# Altium PCB Fuel_Dispenser_Controller_V1.0.0.PcbDoc (part 3 of 4)
Units mm, origin at the board's own origin, x right, y up, seen from the top; angles counter-clockwise.
Board outline 100 x 60 mm, 6 copper layers (L1_SIG, L2_GND, L3_SIG, L4_PWR, L5_GND, L6_SIG), stack 1.538 mm thick; 235 components, 145 nets, 779 pads, 828 vias.
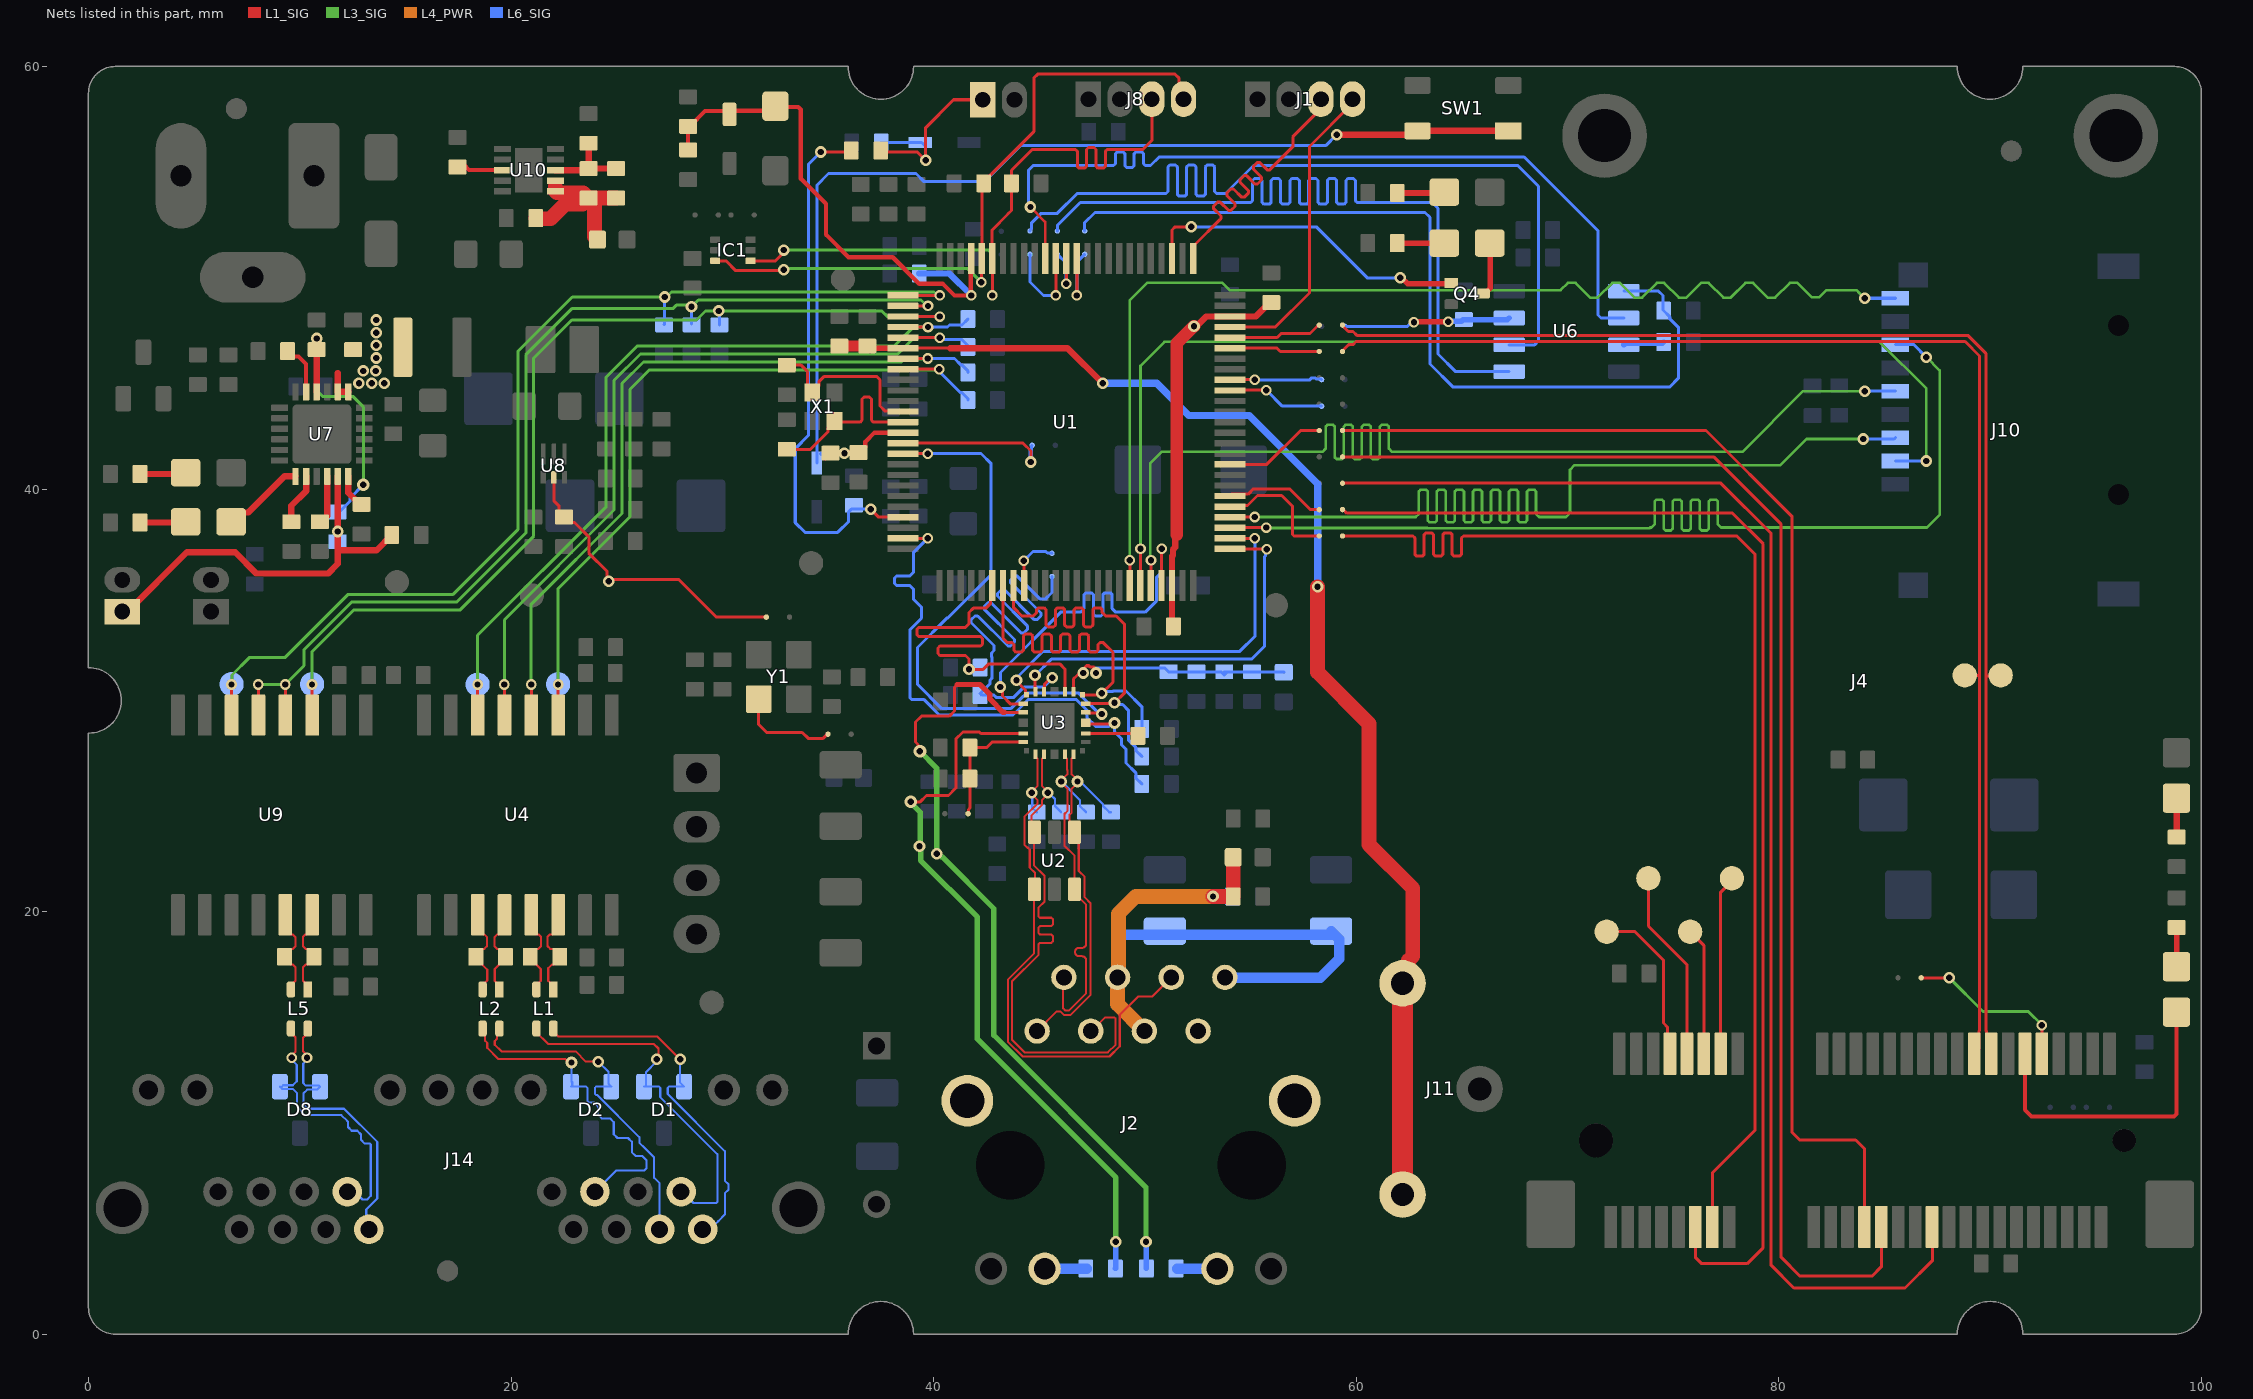
[diagram p7: the nets of this part, all layers, seen from the top]

## Via types
v1: diameter 0.55, hole 0.3, L1_SIG to L6_SIG, tented both sides, 535 vias
v2: diameter 0.52, hole 0.3, L1_SIG to L6_SIG, tented both sides, 164 vias
v3: diameter 0.54, hole 0.3, L1_SIG to L6_SIG, tented both sides, 57 vias
v4: diameter 0.5, hole 0.3, L1_SIG to L6_SIG, tented both sides, 53 vias
v5: diameter 0.6, hole 0.3, L1_SIG to L6_SIG, tented both sides, 17 vias
v6: diameter 0.55, hole 0.3, L1_SIG to L6_SIG, tented bottom, 2 vias

## Nets (pads, with @x,y where several pads share a name; then routed paths per layer and width w, separated by ;. In a path a pad name is that pad's centre, name@x,y a point inside that pad or via, vN(x,y) a via of type N, cw(c..) or ccw(c..) an arc to the next point about the centre after c; other vN are vias at no path point) (continued)
I2C1_SCL: IC1.1 J8.3 R46.1 U1.95 | length 32.5
  L1_SIG w0.142: IC1.1@31.338,50.8 31.347,50.791 32.506,50.791 32.91,51.196 v1(32.91,51.31) ; v4@42.78,49.188 U1.95@42.78,50.906 42.77,50.916 42.77,52.26 43.5,52.99 43.5,53 43.68,53.18 R46.1@43.68,54.47 43.68,55.086 44.664,56.07 46.195,56.07 46.708,56.07 46.797,55.982 46.797,55.275 46.885,55.186 47.15,55.186 47.239,55.275 47.239,56.073 47.327,56.161 47.593,56.161 47.681,56.073 47.681,55.275 47.769,55.186 48.035,55.186 48.123,55.275 48.123,55.982 48.212,56.07 48.353,56.07 49.897,56.07 50.325,56.498 J8.3@50.325,58.45
  L3_SIG w0.142: v1(32.91,51.31) 42.59,51.31 42.776,51.125 v4(42.776,49.164)
I2C1_SDA: IC1.6 J8.4 R45.1 U1.96 | length 31.9
  L1_SIG w0.142: IC1.6@29.662,50.8 30.17,50.8 30.634,50.337 32.245,50.337 32.251,50.343 32.943,50.343 v1@32.98,50.38 ; v4(42.25,49.79) 42.265,49.805 U1.96@42.265,50.879 ; U1.96@42.28,50.906 42.295,50.921 42.295,54.47 44.739,56.915 44.739,59.451 44.925,59.637 51.423,59.637 51.62,59.44 51.62,58.655 J8.4@51.825,58.45
  L3_SIG w0.142: v1@32.98,50.38 33.03,50.43 41.61,50.43 v4(42.25,49.79) v4@42.209,49.749
  other v1: 32.91,50.38
ICHG_5: R37.2 U7.10 | length 2.3
  L1_SIG w0.3: R37.2@10.95,38.45 11.025,38.45 11.3,38.725 U7.10@11.3,40.6
ILIM_5: R36.2 U7.8 | length 2.4
  L1_SIG w0.3: R36.2@9.6,38.45 9.6,39.21 10.3,39.91 U7.8@10.3,40.6
IN_PWR_SENS: C57.2 D10.2 R47.1 R49.2 U1.97 ZD1.1 | length 26.2
  L1_SIG w0.2: R49.2@28.38,56.05 R47.1@28.38,57.16 28.455,57.16 29.182,57.887 30.189,57.887 D10.2@30.343,57.733 30.513,57.904 32.262,57.904 32.279,57.887 ZD1.1@32.51,58.118 ; ZD1.1@32.498,58.08 33.593,58.08 33.71,57.963 33.71,54.69 34.9,53.5 34.9,52.04 35.97,50.97 38.062,50.97 39.321,49.711 40.434,49.711 40.981,49.164 v4(41.775,49.164) 41.76,49.179 41.76,50.886 U1.97@41.78,50.906
  L6_SIG w0.3: C57.2@39.32,50.2 40.739,50.2 v4(41.775,49.164)
LDO_OUT_5: C72.2 C74.2 FB1.1 R55.2 U10.1 U10.2 | length 8.3
  L1_SIG w0.7: C72.2@21.17,52.82 21.201,52.789 21.869,52.789 22.575,53.495 23.395,53.495 C74.2@23.67,53.77 ; 22.095,54.33 U10.1@22.095,54.095 22.17,54.02 23.42,54.02 C74.2@23.67,53.77 ; C74.2@23.745,53.77 23.95,53.565 23.95,51.943 FB1.1@24.088,51.805 ; R55.2@24.97,53.77 C74.2@23.67,53.77
LED_0_4: R15.1 U3.4 | length 34.2
  L1_SIG w0.142: v5(38.91,25.2) 39.364,25.2 39.665,25.501 40.703,25.501 41.051,25.848 41.051,28.166 41.389,28.503 42.164,28.503 42.232,28.435 U3.4@44.244,28.435
  L3_SIG w0.254: v5(38.91,25.2) 38.91,25.157 39.37,24.697 39.37,23.13 v1(39.33,23.09) 39.387,23.033 39.387,22.423 42.07,19.74 42.07,13.97 48.62,7.42 v1(48.62,4.374)
  L6_SIG w0.254: R15.1@48.6,3.11 48.61,3.12 48.61,4.364 v1(48.62,4.374)
LED_2_4: R16.1 U3.2 | length 37.6
  L1_SIG w0.142: v5(39.35,27.59) 39.259,27.681 39.259,27.915 39.14,28.034 39.14,28.97 39.42,29.25 40.733,29.25 40.983,29.5 40.983,30.615 41.12,30.752 ; 43.338,29.435 U3.2@44.244,29.435
  L1_SIG w0.254: 41.12,30.752 42.195,30.752 42.662,30.285 42.662,30.065 43.292,29.435 43.338,29.435
  L3_SIG w0.254: v5(39.35,27.59) 40.14,26.8 v1(40.14,22.74) 40.22,22.74 40.358,22.602 40.389,22.602 42.844,20.147 42.844,14.156 50.051,6.949 v1(50.051,4.374)
  L6_SIG w0.254: v1(50.051,4.374) 50.061,4.365 50.061,3.12 R16.1@50.07,3.11
LED_WWAN#_8: D3.2 J4.42 | length 14.8
  L1_SIG w0.2: J4.42@91.65,13.275 91.65,10.62 91.96,10.31 98.703,10.31 98.82,10.427 D3.2@98.82,15.245
MOD_6_N: L5.4 R44.1 U9.13 | length 4.4
  L1_SIG w0.102: U9.13@9.315,19.85 9.315,19.2 9.589,18.926 9.653,18.926 9.797,18.782 9.797,18.358 9.677,18.238 9.574,18.238 9.275,17.939 R44.1@9.275,17.865 9.275,17.791 9.574,17.492 9.677,17.492 9.797,17.372 9.797,17.056 9.804,17.049 9.804,16.742 9.582,16.52 L5.4@9.582,16.318
MOD_6_P: L5.1 R44.2 U9.14 | length 4.4
  L1_SIG w0.102: L5.1@10.382,16.318 10.382,16.493 10.16,16.715 10.16,17.197 10.153,17.204 10.153,17.372 10.273,17.492 10.376,17.492 10.675,17.791 R44.2@10.675,17.865 10.675,17.939 10.376,18.238 10.273,18.238 10.153,18.358 10.153,18.807 10.272,18.926 10.311,18.926 10.585,19.2 U9.14@10.585,19.85
MOD_O_6_N: D8.1 J14.2 L5.3 | length 13.5
  L1_SIG w0.102: L5.3@9.582,14.468 9.582,14.266 9.804,14.044 9.804,13.38 9.622,13.198 v4(9.622,13.09)
  L6_SIG w0.102: D8.1@9.06,11.72 D8.1@9.109,11.671 ; v4(9.622,13.09) 9.622,12.982 9.858,12.747 9.858,11.968 9.672,11.781 9.22,11.781 D8.1@9.109,11.671 ; J14.2@12.25,6.745 12.601,6.745 12.972,6.374 13.187,6.374 13.36,6.548 13.36,8.98 13.353,8.987 13.317,9.023 13.081,9.023 12.902,9.202 12.902,9.453 12.722,9.632 12.459,9.632 12.279,9.812 12.279,10.061 12.244,10.096 11.97,10.37 10.264,10.37 9.875,10.759 9.875,11.41 9.672,11.614 9.166,11.614 D8.1@9.109,11.671
MOD_O_6_P: D8.2 J14.1 L5.2 | length 13.8
  L1_SIG w0.102: v4(10.342,13.09) 10.342,13.198 10.16,13.38 10.16,14.044 10.382,14.266 L5.2@10.382,14.468
  L6_SIG w0.102: v4(10.342,13.09) 10.342,12.982 10.162,12.803 10.162,11.887 10.281,11.768 10.912,11.768 D8.2@10.96,11.72 10.818,11.578 10.348,11.578 10.18,11.41 10.18,10.885 10.39,10.675 12.096,10.675 13.665,9.106 13.665,6.421 13.145,5.902 13.145,5.09 J14.1@13.27,4.965
MOD_RX_7_N: L2.4 R25.1 U4.11 | length 4.3
  L1_SIG w0.102: U4.11@18.42,19.85 18.42,19.2 18.694,18.926 18.738,18.926 18.857,18.807 18.857,18.358 18.737,18.238 18.634,18.238 18.335,17.939 18.335,17.791 18.872,17.254 18.872,16.742 18.65,16.52 L2.4@18.65,16.318
MOD_RX_7_P: L2.1 R25.2 U4.12 | length 4.3
  L1_SIG w0.102: L2.1@19.45,16.318 19.45,16.493 19.228,16.715 19.228,17.284 19.735,17.791 19.735,17.939 19.436,18.238 19.333,18.238 19.213,18.358 19.213,18.787 19.352,18.926 19.416,18.926 19.69,19.2 U4.12@19.69,19.85
MOD_RX_O_7_N: D2.1 J14.18 L2.3 | length 16
  L1_SIG w0.102: L2.3@18.65,14.468 18.769,14.349 18.769,13.895 18.874,13.79 18.874,13.553 19.397,13.03 22.569,13.03 22.739,12.86 v1(22.86,12.86)
  L6_SIG w0.102: D2.1@22.84,11.72 D2.1@22.899,11.72 ; v1(22.86,12.86) 22.86,11.962 22.899,11.923 D2.1@22.899,11.72 ; J14.18@23.97,6.745 24.971,7.746 26.298,7.746 26.417,7.865 26.417,8.228 26.364,8.28 26.211,8.433 25.895,8.433 25.716,8.613 25.716,9.109 25.536,9.289 25.04,9.289 24.861,9.468 24.861,10.036 24.681,10.215 24.288,10.215 24.108,10.395 24.108,10.788 23.929,10.968 23.677,10.968 23.641,11.003 23.612,11.032 23.612,11.66 23.553,11.72 D2.1@22.899,11.72
MOD_RX_O_7_P: D2.2 J14.15 L2.2 | length 16.3
  L1_SIG w0.102: L2.2@19.45,14.468 19.331,14.349 19.331,13.969 19.23,13.868 19.23,13.7 19.544,13.386 23.054,13.386 23.54,12.9 v1(24.13,12.9)
  L6_SIG w0.102: v1(24.13,12.9) 24.617,12.413 24.617,11.843 D2.2@24.74,11.72 24.027,11.72 23.968,11.66 23.968,11.383 24.027,11.323 24.076,11.323 26.071,9.328 26.071,9.069 26.237,8.903 26.244,8.903 26.72,8.427 26.72,8.42 26.772,8.368 26.772,7.398 27.03,7.141 J14.15@27.03,4.965
MOD_TX_7_N: L1.4 R24.1 U4.13 | length 4.3
  L1_SIG w0.102: U4.13@20.96,19.85 20.96,19.2 21.234,18.926 21.302,18.926 21.421,18.807 21.421,18.358 21.301,18.238 21.204,18.238 20.905,17.939 20.905,17.789 21.405,17.289 21.405,16.725 21.2,16.52 L1.4@21.2,16.318
MOD_TX_7_P: L1.1 R24.2 U4.14 | length 4.5
  L1_SIG w0.102: L1.1@22,16.318 22,16.493 21.761,16.732 21.761,17.321 21.932,17.492 22.006,17.492 22.305,17.791 22.305,17.939 22.006,18.238 21.858,18.238 21.726,18.37 21.726,18.807 21.845,18.926 21.956,18.926 22.23,19.2 U4.14@22.23,19.85
MOD_TX_O_7_N: D1.1 J14.14 L1.3 | length 17.5
  L1_SIG w0.102: L1.3@21.2,14.468 21.2,14.293 21.753,13.74 26.757,13.74 26.976,13.522 26.976,13.086 v1(26.9,13.01)
  L6_SIG w0.102: D1.1@26.29,11.72 D1.1@26.354,11.72 ; v1@26.9,12.92 26.393,12.413 26.393,11.759 D1.1@26.354,11.72 ; J14.14@28.05,6.745 28.101,6.745 28.636,6.21 29.331,6.21 29.705,6.21 29.764,6.27 29.764,8.518 27.062,11.22 27.062,11.66 27.003,11.72 26.393,11.72 D1.1@26.354,11.72
MOD_TX_O_7_P: D1.2 J14.13 L1.2 | length 17.5
  L1_SIG w0.102: L1.2@22,14.468 22,14.32 22.224,14.096 26.905,14.096 v1@28,13
  L6_SIG w0.102: v1@28,13 28,11.91 D1.2@28.19,11.72 27.477,11.72 27.418,11.66 27.418,11.368 30.12,8.665 30.12,7.35 30.12,7.267 30.294,7.093 30.294,6.839 30.12,6.665 30.12,6.614 30.12,5.664 29.806,5.35 29.421,4.965 J14.13@29.07,4.965
  other v1: 28,13.01
NetC14_2: C14.2 C76.2 FB2.1 J2.4 J2.5 | length 14.6
  L1_SIG w0.096: C14.2@54.168,20.72 C14.2@54.175,20.713
  L1_SIG w0.7: J2.4@48.705,16.89 J2.4@48.743,16.928 ; v1(53.22,20.72) C14.2@54.168,20.72 ; C14.2@54.175,20.788 54.175,20.963 FB2.1@54.175,22.575
  L4_PWR w0.7: J2.4@48.705,16.89 48.705,15.62 J2.5@49.975,14.35 ; J2.4@48.743,16.928 48.743,19.903 49.56,20.72 v1(53.22,20.72)
  L6_SIG w0.142: v1(53.22,20.72) C76.2@54.15,20.72
NetD3_1: D3.1 R27.1 | length 1.9
  L1_SIG w0.254: D3.1@98.82,17.395 98.83,17.405 R27.1@98.83,19.25
NetD4_2: D4.2 R28.2 | length 1.8
  L1_SIG w0.142: D4.2@98.82,25.37 D4.2@98.83,25.36
  L1_SIG w0.3: R28.2@98.83,23.53 D4.2@98.83,25.36
NetD5_1: D5.1 R32.1 | length 2.2
  L1_SIG w0.3: R32.1@2.44,38.42 4.57,38.42 D5.1@4.6,38.45
NetD6_1: D6.1 R33.1 | length 2.2
  L1_SIG w0.3: R33.1@2.44,40.71 4.535,40.71 D6.1@4.6,40.775
NetD9_1: D9.1 R48.1 | length 2.2
  L1_SIG w0.254: R48.1@61.942,51.64 D9.1@64.167,51.64
NetD9_2: D9.2 Q4.3 | length 2.6
  L1_SIG w0.254: Q4.3@66,49.25 66.081,49.25 66.35,49.519 66.35,51.608 D9.2@66.317,51.64
NetD11_1: D11.1 R54.1 | length 2.2
  L1_SIG w0.3: R54.1@61.942,54.01 D11.1@64.167,54.01
NetJ2_10: J2.10 R15.2 | length 2
  L6_SIG w0.5: J2.10@45.255,3.1 R15.2@47.24,3.1
NetJ2_11: J2.11 R16.2 | length 1.9
  L6_SIG w0.5: R16.2@51.53,3.1 J2.11@53.425,3.1
NetJ4_8: J4.8 TP1.1 | length 7.8
  L1_SIG w0.142: TP1.1@71.85,19.05 73.19,19.05 74.54,17.7 74.54,14.73 74.725,14.545 74.725,13.4 J4.8@74.85,13.275
NetJ4_10: J4.10 TP2.1 | length 9.1
  L1_SIG w0.142: TP2.1@73.827,21.58 73.827,19.313 75.65,17.49 J4.10@75.65,13.275
NetJ4_12: J4.12 TP3.1 | length 6
  L1_SIG w0.142: TP3.1@75.803,19.05 76.45,18.403 J4.12@76.45,13.275
NetJ4_14: J4.14 TP4.1 | length 8.5
  L1_SIG w0.142: J4.14@77.25,13.275 77.25,20.92 77.78,21.45 TP4.1@77.78,21.58
NetR18_2: R18.2 U3.14 | length 2.5
  L1_SIG w0.142: U3.14@47.195,28.435 48,28.435 48.119,28.435 48.12,28.436 48.521,28.436 48.522,28.435 49.555,28.435 R18.2@49.67,28.32
NetR29_1: R29.1 U6.3 | length 1.9
  L6_SIG w0.254: U6.3@72.662,46.825 72.729,46.892 74.483,46.892 R29.1@74.55,46.96
NetR31_1: R31.1 SB15.2 U6.7 | length 7.9
  L1_SIG w0.142: v4(62.73,47.9) v4@62.74,47.91 ; v4@64.35,47.91 v4(64.36,47.92)
  L1_SIG w0.254: v4@62.74,47.91 v4@64.35,47.91
  L6_SIG w0.142: SB15.2@59.48,47.7 62.429,47.7 62.629,47.9 v4(62.73,47.9)
  L6_SIG w0.254: v4(64.36,47.92) 64.42,47.92 64.44,47.94 64.98,47.94 65.06,48.02 R31.1@65.09,48.02 ; R31.1@65.09,48.012 67.155,48.012 U6.7@67.238,48.095
NetSB10_1: SB10.1 U1.15 | length 7.6
  L1_SIG w0.142: U1.15@38.542,42.168 38.545,42.171 44.231,42.171 44.606,41.796 44.606,41.286 v1(44.6,41.28)
  L6_SIG w0.142: 44.6,41.83 44.636,41.866 44.636,42.046 SB10.1@44.66,42.07
  L6_SIG w0.203: v1(44.6,41.28) 44.6,41.83
NetSB13_1: SB13.1 U1.67 | length 4.4
  L1_SIG w0.142: U1.67@54.006,45.18 v4@55.196,45.18
  L6_SIG w0.142: v4@55.21,45.15 57.779,45.15 57.894,45.265 58.042,45.265 58.097,45.209 58.336,45.209 SB13.1@58.36,45.185
  other v4: 55.198,45.178
NetSB14_1: SB14.1 U1.66 | length 4.6
  L1_SIG w0.142: U1.66@54.004,44.682 v4@55.722,44.682
  L6_SIG w0.142: v4@55.76,44.663 56.503,43.92 SB14.1@58.36,43.92
  other v4: 55.746,44.677
NetSB18_2: SB18.2 Y1.1 | length 4.8
  L1_SIG w0.142: Y1.1@31.72,30.06 31.72,28.86 32.1,28.48 33.78,28.48 34.06,28.2 34.77,28.2 34.97,28.4 SB18.2@35,28.4
NetSB26_1: SB26.1 U1.89 | length 4.5
  L1_SIG w0.142: v4@45.78,49.188 U1.89@45.78,50.906
  L6_SIG w0.142: SB26.1@44.56,51.11 44.56,49.8 45.196,49.164 v4(45.776,49.164)
NetSB27_1: SB27.1 U1.88 | length 2.8
  L1_SIG w0.142: v4@46.28,49.716 U1.88@46.28,50.906
  L6_SIG w0.15: SB27.1@45.855,51.11 46.265,50.7 46.265,49.726 v4(46.278,49.714)
NetSB28_1: SB28.1 U1.87 | length 3.8
  L1_SIG w0.142: v4@46.78,49.188 U1.87@46.78,50.906
  L6_SIG w0.142: v4(46.776,49.164) 46.776,50.736 SB28.1@47.15,51.11
NR/SS_5: C66.2 U10.8 | length 2.3
  L1_SIG w0.2: C66.2@17.463,55.242 17.543,55.322 17.788,55.322 18.015,55.095 U10.8@19.595,55.095
NTC_5: J12.1 R14.1 R34.2 U7.11 | length 19
  L1_SIG w0.3: J12.1@1.6,34.2 1.85,34.2 4.66,37.01 6.94,37.01 7.948,36.002 11.341,36.002 11.8,36.461 11.8,37.11 ; U7.11@11.8,40.6 11.8,38.02 11.77,37.99 11.8,37.96 11.8,37.11 ; R34.2@14.35,37.825 13.635,37.11 11.8,37.11
  other v1: 11.8,37.99
OSC_IN_2: C1.1 U1.12 X1.1 | length 8.3
  L1_SIG w0.142: C1.1@33.05,45.86 33.73,45.86 34.04,45.55 34.04,44.79 X1.1@34.255,44.575 34.566,44.887 34.566,45.08 34.824,45.337 37.294,45.337 37.46,45.171 37.46,43.928 37.683,43.704 38.505,43.704 U1.12@38.542,43.668
OSC_OUT_2: C2.1 U1.13 X1.3 | length 8.4
  L1_SIG w0.142: C2.1@33.05,41.88 34.174,41.88 34.994,42.699 34.994,42.864 35.298,43.168 X1.3@35.362,43.168 ; X1.3@35.305,43.225 X1.3@35.362,43.168 ; X1.3@35.405,43.168 X1.3@35.362,43.168 ; U1.13@38.542,43.168 37.32,43.168 37.142,43.168 37.054,43.256 37.054,44.258 36.965,44.347 36.7,44.347 36.612,44.258 36.612,43.256 36.523,43.168 36.452,43.168 X1.3@35.362,43.168
PG_5: R38.1 SB3.2 U8.2 | length 14.3
  L1_SIG w0.142: U8.2@22.025,40.552 22.025,39.452 22.264,39.214 22.264,38.919 22.767,38.415 23.005,38.415 23.68,37.74 23.68,36.962 24.549,36.093 24.549,36.009 24.552,36.006 24.552,35.828 24.659,35.721 v1@24.711,35.721 ; v1(24.63,35.64) v1@24.711,35.721 ; v1@24.715,35.725 v1@24.711,35.721 ; SB3.2@32.08,33.94 29.71,33.94 27.925,35.725 24.916,35.725 24.912,35.721 v1@24.711,35.721
PGOOD_5: D5.2 U7.7 | length 3.9
  L1_SIG w0.3: D5.2@6.75,38.45 7.191,38.891 7.566,38.891 9.275,40.6 U7.7@9.8,40.6
PMID_5: C44.2 U7.23 | length 2.4
  L1_SIG w0.2: C44.2@9.425,46.525 9.674,46.276 9.944,46.276 10.3,45.92 U7.23@10.3,44.6
R\S\4\8\5\_\R\E\_DE: R42.1 U1.2 U9.4 U9.5 | length 49.7
  L1_SIG w0.142: U9.5@8.045,29.3 v4@8.045,30.735 ; U9.4@9.315,29.3 v4@9.315,30.735 ; U1.2@38.542,48.668 v4@39.732,48.668
  L3_SIG w0.142: v4(8.04,30.75) v4(9.31,30.75) 10.203,31.643 10.203,32.396 12.45,34.643 17.416,34.643 20.697,37.924 20.697,46.354 22.877,48.534 27.654,48.534 27.82,48.7 28.47,48.7 v1(28.54,48.63) ; v1(28.54,48.63) 28.86,48.95 39.399,48.95 39.682,48.666 v4(39.734,48.666)
  L6_SIG w0.142: v1(28.54,48.63) 28.54,47.82 R42.1@28.55,47.81
REGN_5: C46.2 R14.2 U7.22 | length 12.5
  L1_SIG w0.3: U7.22@10.8,44.6 C46.2@10.8,46.6
  L3_SIG w0.142: v1(10.81,47.125) 10.81,44.66 11.08,44.39 12.51,44.39 13.01,43.89 v5(13.01,40.2)
  L6_SIG w0.142: R14.2@11.786,38.907 11.861,38.907 12.368,39.414 12.368,39.558 v5(13.01,40.2)
RMII_CRS_DV: R4.1 U1.31 U3.20 | length 19.2
  L1_SIG w0.142: U1.31@42.78,35.43 42.701,35.351 42.701,34.591 42.471,34.361 41.878,34.361 41.675,34.158 41.675,34.12 41.675,33.62 41.508,33.454 39.304,33.454 39.216,33.365 39.216,33.1 39.304,33.011 42.223,33.011 42.312,32.923 42.312,32.658 42.223,32.569 40.295,32.569 40.206,32.481 40.206,32.215 40.295,32.127 41.508,32.127 41.675,31.96 41.675,31.889 v1(41.675,31.47) 42.347,31.47 42.607,31.73 45.963,31.73 46.219,31.473 U3.20@46.219,30.41
RMII_MDC: U1.16 U3.16 | length 27
  L1_SIG w0.142: U1.16@38.552,41.678 38.557,41.673 39.717,41.673 v4(39.722,41.678) ; U3.16@47.196,29.435 47.225,29.406 47.909,29.406 v1@47.95,29.365
  L6_SIG w0.142: v4(39.722,41.678) 42.242,41.678 42.72,41.2 42.72,35.949 40.657,33.886 40.619,33.886 39.234,32.501 39.234,30.759 40.389,29.604 43.46,29.604 43.646,29.604 44.242,30.2 44.25,30.2 44.387,30.337 46.869,30.337 ; 46.869,30.327 47.832,29.365 v1@47.95,29.365
  other v1: 47.95,29.355
RMII_MDIO: R5.1 U1.24 U3.15 | length 26.8
  L1_SIG w0.142: U1.24@38.542,37.668 38.545,37.671 39.718,37.671 v4@39.721,37.668 ; U3.15@47.197,28.935 47.258,28.874 48.508,28.874 v1@48.561,28.928
  L6_SIG w0.142: v4(39.726,37.674) 39.04,36.987 39.04,36.348 39.04,36.047 38.873,35.88 38.247,35.88 38.158,35.792 38.158,35.526 38.247,35.438 38.873,35.438 39.04,35.271 39.04,35.2 39.04,34.8 39.43,34.41 39.43,33.89 38.87,33.33 38.87,30.133 38.953,30.05 39.53,30.05 40.268,29.312 43.46,29.312 43.754,29.312 44.492,30.05 46.74,30.05 47.247,29.543 47.247,29.193 47.67,28.77 48.291,28.77 48.451,28.93 v1(48.561,28.93) 48.561,28.509 48.88,28.19 48.88,27.91 49.1,27.69 49.1,27.04 49.571,26.569 49.571,26.329 R5.1@49.85,26.05
RMII_RXD0: R2.1 U1.32 U3.18 | length 21.2
  L1_SIG w0.142: U1.32@43.28,35.43 43.28,32.94 43.49,32.73 43.636,32.73 43.713,32.73 43.802,32.642 43.802,32.37 43.89,32.281 44.155,32.281 44.244,32.37 44.244,33.055 44.332,33.144 44.598,33.144 44.686,33.055 44.686,32.37 44.775,32.281 45.04,32.281 45.128,32.37 45.128,33.055 45.217,33.144 45.482,33.144 45.571,33.055 45.571,32.37 45.659,32.281 45.924,32.281 46.013,32.37 46.013,33.055 46.101,33.144 46.367,33.144 46.455,33.055 46.455,32.37 46.543,32.281 46.809,32.281 46.897,32.37 46.897,33.055 46.986,33.144 47.251,33.144 47.34,33.055 47.34,32.37 47.428,32.281 47.693,32.281 47.782,32.37 47.782,32.642 47.87,32.73 47.941,32.73 48.03,32.73 48.49,32.27 48.49,30.86 47.89,30.26 U3.18@47.045,30.26
  L6_SIG w0.142: v1@47.95,30.32 48.038,30.408 48.454,30.408 48.493,30.447 49.103,30.447 49.85,29.7 R2.1@49.85,28.65
  other v1: 47.95,30.33
RMII_RXD1: R3.1 U1.33 U3.17 | length 20.5
  L1_SIG w0.142: U1.33@43.78,35.43 43.79,35.42 43.79,34.38 44.18,33.99 44.64,33.99 44.711,33.99 44.878,34.157 44.878,34.289 44.966,34.378 45.232,34.378 45.32,34.289 45.32,33.556 45.408,33.468 45.674,33.468 45.762,33.556 45.762,34.289 45.851,34.378 46.116,34.378 46.204,34.289 46.204,33.556 46.293,33.468 46.558,33.468 46.647,33.556 46.647,34.289 46.735,34.378 47.001,34.378 47.089,34.289 47.089,33.556 47.177,33.468 47.443,33.468 47.531,33.556 47.531,34.289 47.62,34.378 47.885,34.378 47.973,34.289 47.973,34.157 48.14,33.99 48.447,33.99 48.64,33.99 49.04,33.59 49.04,30.357 v1(48.561,29.879) v1@48.518,29.835 ; U3.17@47.195,29.845 v1@48.518,29.845
  L6_SIG w0.142: v1(48.561,29.879) 48.639,29.801 48.949,29.801 49.216,29.534 49.216,28.131 49.571,27.775 49.571,27.629 R3.1@49.85,27.35
RMII_RXER_GPIO: SB16.1 U1.34 | length 2.7
  L1_SIG w0.142: U1.34@44.28,35.43 44.275,35.435 44.275,36.596 v4@44.28,36.601
  L6_SIG w0.142: v4(44.27,36.61) 44.7,37.04 45.319,37.04 45.377,36.981 45.579,36.981 SB16.1@45.6,36.96
RMII_TX_EN: U1.47 U3.1 | length 18.9
  L1_SIG w0.142: v1(43.16,30.63) 43.16,30.52 43.257,30.423 43.257,30.203 43.625,29.835 U3.1@44.244,29.835 ; U1.47@50.78,35.43 50.78,37.167 v4(50.79,37.178)
  L6_SIG w0.142: v1(43.16,30.63) 43.16,31.32 46.01,34.17 46.883,34.17 46.954,34.17 47.12,34.337 47.12,35.002 47.209,35.09 47.474,35.09 47.563,35.002 47.563,34.082 47.651,33.994 47.916,33.994 48.005,34.082 48.005,35.002 48.093,35.09 48.359,35.09 48.447,35.002 48.447,34.337 48.614,34.17 48.809,34.17 50.01,34.17 50.555,34.715 50.555,35.829 50.79,36.064 v4(50.79,37.178)
RMII_TXD0: U1.51 U3.23 | length 18.6
  L1_SIG w0.142: v1(44.797,31.18) 44.808,31.169 44.808,30.421 U3.23@44.819,30.41 ; U1.51@54.018,37.168 55.756,37.168 v4(55.766,37.157)
  L6_SIG w0.142: v1(44.797,31.18) 45.567,31.95 55.044,31.95 55.669,32.575 55.669,36.812 55.698,36.841 55.698,37.089 v4(55.766,37.157)
RMII_TXD1: U1.52 U3.24 | length 18.9
  L1_SIG w0.142: v1(43.92,30.95) 43.92,30.912 44.341,30.491 44.341,30.314 U3.24@44.394,30.26 ; U1.52@54.022,37.672 54.024,37.67 55.202,37.67 v4(55.204,37.672)
  L6_SIG w0.142: v1(43.92,30.95) 43.92,31.06 44.04,31.18 45.18,32.32 54.492,32.32 55.204,33.032 v4(55.204,37.672)
RS422_DE: R21.1 U1.5 U4.5 | length 37.5
  L1_SIG w0.142: U4.5@19.69,29.3 v4@19.69,30.735 ; U1.5@38.556,47.154 U1.5@38.542,47.168 v4@40.26,47.168
  L3_SIG w0.142: v4(19.685,30.75) 19.685,33.812 24.877,39.004 24.877,45.144 26.127,46.394 38.297,46.394 39.067,47.163 v4(40.284,47.163)
  L6_SIG w0.142: v4(40.284,47.163) 40.385,47.163 40.468,47.08 41.333,47.08 41.62,46.793 R21.1@41.62,46.73
RS422_DI: R20.1 TP14.1 U1.4 U4.6 | length 38
  L1_SIG w0.142: U4.6@18.42,29.3 v4@18.42,30.735 ; U1.4@38.544,47.666 U1.4@38.542,47.668 v4@39.732,47.668
  L3_SIG w0.142: v4(18.415,30.75) 18.415,33.075 24.5,39.16 24.5,45.3 25.971,46.771 38.141,46.771 39.034,47.664 v4@39.736,47.664
  L6_SIG w0.142: v4(39.734,47.666) 39.738,47.67 40.66,47.67 40.75,47.76 41.34,47.76 R20.1@41.62,48.04
RS422_RE: R22.1 U1.7 U4.4 | length 35.8
  L1_SIG w0.142: U4.4@20.96,29.3 v4@20.96,30.735 ; U1.7@38.53,46.18 v4@39.72,46.18
  L3_SIG w0.142: v4(20.955,30.75) 20.955,34.549 25.254,38.848 25.254,45.004 26.267,46.017 38.475,46.017 38.624,46.166 v4@39.734,46.166
  L6_SIG w0.142: v4(39.722,46.178) 40.985,46.178 41.281,45.881 41.334,45.881 41.62,45.595 R22.1@41.62,45.52
RS422_RO: R23.1 TP13.1 U1.8 U4.3 | length 35.5
  L1_SIG w0.142: U4.3@22.23,29.3 v4@22.23,30.735 ; U1.8@38.528,45.682 v4@40.246,45.682
  L3_SIG w0.142: v4(22.225,30.75) 22.225,35.286 25.631,38.692 25.631,44.721 26.55,45.64 v4@40.17,45.64
  L6_SIG w0.142: v4(40.27,45.677) 40.341,45.606 40.341,45.489 41.259,44.571 41.334,44.571 41.62,44.285 R23.1@41.62,44.21
RS485_DI: R41.1 TP12.1 U1.1 U9.6 | length 50.9
  L1_SIG w0.142: U9.6@6.775,29.3 v4@6.775,30.735 ; U1.1@38.542,49.168 v4@40.26,49.168
  L3_SIG w0.142: v4(6.77,30.75) 6.792,30.772 6.792,31.202 7.609,32.019 9.293,32.019 12.294,35.02 17.26,35.02 20.32,38.08 20.32,46.51 22.9,49.09 27.36,49.09 27.597,49.327 40.02,49.327 40.183,49.164 v4(40.284,49.164)
  L6_SIG w0.142: R41.1@27.24,47.78 27.27,47.81 v1(27.27,49.09)
RS485_RO: R43.1 TP11.1 U1.3 U9.3 | length 46.7
  L1_SIG w0.142: U9.3@10.585,29.3 v4@10.585,30.735 ; U1.3@38.542,48.168 v4@40.26,48.168
  L3_SIG w0.142: v4(10.58,30.75) 10.58,32.3 12.546,34.266 17.572,34.266 21.074,37.768 21.074,46.198 22.878,48.001 28.775,48.001 29.203,48.43 37.55,48.43 37.823,48.157 39.528,48.157 39.53,48.159 40.112,48.159 40.117,48.154 v4@40.156,48.154
  L6_SIG w0.142: v1(29.83,48.43) 29.86,48.4 R43.1@29.86,47.77
  other v4: 40.284,48.164
RST_4_N: C16.2 R10.1 SB17.2 U3.5 | length 5.8
  L1_SIG w0.142: SB17.2@41.63,24.635 41.654,24.659 41.654,24.839 41.715,24.9 R10.1@41.715,26.3 ; R10.1@41.715,26.3 C16.2@41.715,27.765 42.515,27.765 42.785,28.035 U3.5@44.244,28.035
RTC_VBAT: C59.2 C60.2 J11.1 U1.6 | length 61.3
  L1_SIG w0.15: U1.6@38.542,46.668 40.778,46.668
  L1_SIG w0.254: C59.2@36.86,46.77 36.86,46.668 36.988,46.54 37.119,46.671 U1.6@38.505,46.671
  L1_SIG w0.3: 40.778,46.668 46.332,46.668 v1(48,45)
  L1_SIG w0.5: C60.2@35.54,46.77 C59.2@36.86,46.77
  L1_SIG w0.7: v1(58.17,35.38) 58.17,31.33 60.606,28.894 60.606,23.174 62.67,21.11 62.67,17.89 62.477,17.697 62.477,16.897 J11.1@62.19,16.61
  L1_SIG w1: J11.1@62.19,6.61 J11.1@62.19,16.776
  L6_SIG w0.35: v1(48,45) 50.56,45 52.08,43.48 54.93,43.48 58.17,40.24 v1(58.17,35.38)
RTS_2: SB6.1 U1.59 | length 4.9
  L1_SIG w0.142: U1.59@54.018,41.168 55.768,41.168 57.37,42.77 SB6.1@58.25,42.77
RX_2: SB9.1 U1.56 | length 4.8
  L1_SIG w0.142: U1.56@54.018,39.668 54.104,39.754 54.885,39.754 55.14,40.01 56.84,40.01 57.823,39.027 SB9.1@58.25,39.027
RX_4_N: J2.6 R6.1 U2.1 U3.7 | length 26.3
  L1_SIG w0.097: U3.7@44.819,27.46 44.819,27.335 44.92,27.234 44.92,26.442 44.922,26.44 44.922,25.96 44.64,25.678 v1(44.64,25.62) 44.64,25.562 44.922,25.28 44.922,25.12 44.296,24.495 44.296,23.173 44.433,23.037 44.44,23.037 44.547,22.929 44.547,22.082 44.795,21.835 44.795,21.086 44.75,21.04 44.75,20.34 44.756,20.334 44.756,18.026 43.51,16.78 43.51,13.85 44.216,13.144 48.324,13.144 48.808,13.628 48.808,15.108 49.683,15.983 50.338,15.983 J2.6@51.245,16.89
  L6_SIG w0.108: v1@44.67,25.62 44.67,24.92 R6.1@44.88,24.71
RX_4_P: J2.3 R7.1 U2.6 U3.8 | length 26.4
  L1_SIG w0.097: U3.8@45.22,27.46 45.22,27.335 45.119,27.234 45.119,26.524 45.12,26.522 45.12,25.96 45.402,25.678 v1(45.402,25.62) 45.402,25.562 45.12,25.28 45.12,25.038 44.628,24.546 44.628,23.901 U2.6@44.77,23.76 44.745,23.736 44.745,22.195 45.246,21.694 45.246,20.473 44.954,20.181 44.954,20.108 44.954,19.791 45.033,19.712 45.569,19.712 45.648,19.633 45.648,19.395 45.569,19.316 45.033,19.316 44.954,19.236 44.954,18.998 45.033,18.919 45.569,18.919 45.649,18.84 45.649,18.602 45.569,18.523 45.033,18.523 44.954,18.443 44.954,17.998 44.954,17.944 43.708,16.698 43.708,13.932 44.298,13.342 48.242,13.342 48.61,13.71 48.61,14.943 48.553,15 48.118,15 47.468,14.35 J2.3@47.435,14.35
  L6_SIG w0.108: v1@45.57,25.62 45.57,25.5 45.745,25.325 45.745,24.995 R7.1@46.03,24.71
RX_ER_4: R13.2 SB16.2 U3.22 | length 27.5
  L1_SIG w0.142: U3.22@45.22,30.41 45.256,30.447 45.256,30.773 45.523,31.04 v1@45.62,31.04
  L6_SIG w0.142: SB16.2@45.6,35.86 45.6,35.101 45.583,35.083 45.285,34.786 45.049,34.786 43.962,35.873 43.837,35.873 43.649,35.686 43.649,35.561 45.079,34.131 45.079,34.006 44.891,33.818 44.766,33.818 43.336,35.248 43.211,35.248 43.023,35.06 43.023,34.935 44.453,33.506 44.453,33.38 44.266,33.193 44.141,33.193 42.711,34.623 42.586,34.623 42.398,34.435 42.398,34.31 43.828,32.88 43.828,32.755 43.64,32.567 43.515,32.567 42.085,33.997 41.96,33.997 41.773,33.81 41.773,33.684 42.86,32.597 42.86,32.361 42.81,32.311 42.745,32.245 42.745,32.062 42.771,32.036 42.771,31.064 42.674,30.967 42.674,30.799 42.2,30.325 42.281,30.244 42.858,30.244 42.959,30.144 43.46,30.144 43.794,30.144 44.289,30.639 45.219,30.639 v1@45.62,31.04
  other v1: 45.62,31.07
SHGND: C77.2 C78.2 J2.7 J2.8 J2.13 J2.14 | length 17.4
  L6_SIG w0.5: 48.8,18.9 50.94,18.9 58.81,18.9 C77.2@58.81,19.08 59.2,18.69 59.2,17.77 58.3,16.87 J2.8@53.805,16.87
SPI1_FLASH_CS: R30.1 SB28.2 U6.1 | length 42.5
  L6_SIG w0.142: SB28.2@47.15,52.21 47.15,52.61 47.632,53.092 63.258,53.092 63.491,52.86 63.491,45.92 64.59,44.82 74.82,44.82 75.24,45.24 75.24,47.66 74.837,48.063 74.837,48.152 74.518,48.472 74.518,49.156 74.309,49.365 U6.1@72.662,49.365
SPI1_MISO: U1.90 U6.2 | length 40.8
  L1_SIG w0.125: v1(44.58,53.35) 45.28,52.65 U1.90@45.28,50.906
  L6_SIG w0.142: v1(44.58,53.35) 44.509,53.421 44.509,53.582 44.48,53.611 44.48,55.08 44.71,55.31 48.445,55.31 48.516,55.31 48.605,55.398 48.605,55.871 48.693,55.959 48.959,55.959 49.047,55.871 49.047,55.308 49.135,55.219 49.401,55.219 49.489,55.308 49.489,55.871 49.578,55.959 49.843,55.959 49.931,55.871 49.931,55.398 50.02,55.31 50.262,55.31 50.672,55.72 67.95,55.72 71.44,52.23 71.44,48.241 71.586,48.095 U6.2@72.662,48.095
SPI1_MOSI: SB27.2 U6.5 | length 42.6
  L6_SIG w0.142: SB27.2@45.855,52.21 45.85,52.215 45.85,52.47 46.94,53.56 54.933,53.56 55.004,53.56 55.093,53.648 55.093,54.607 55.181,54.696 55.446,54.696 55.535,54.607 55.535,53.571 55.623,53.482 55.889,53.482 55.977,53.571 55.977,54.607 56.066,54.696 56.331,54.696 56.419,54.607 56.419,53.571 56.508,53.482 56.773,53.482 56.862,53.571 56.862,54.607 56.95,54.696 57.215,54.696 57.304,54.607 57.304,53.571 57.392,53.482 57.658,53.482 57.746,53.571 57.746,54.607 57.835,54.696 58.1,54.696 58.188,54.607 58.188,53.571 58.277,53.482 58.542,53.482 58.631,53.571 58.631,54.607 58.719,54.696 58.984,54.696 59.073,54.607 59.073,53.571 59.161,53.482 59.427,53.482 59.515,53.571 59.515,54.607 59.604,54.696 59.869,54.696 59.957,54.607 59.957,53.648 60.046,53.56 60.225,53.56 63.59,53.56 63.867,53.284 63.867,46.394 64.705,45.555 U6.5@67.238,45.555
SPI1_SCK: SB26.2 U6.6 | length 42.7
  L6_SIG w0.142: SB26.2@44.56,52.21 44.56,52.245 44.624,52.309 44.624,52.584 45.091,53.051 45.851,53.051 46.79,53.99 50.93,53.99 51.001,53.99 51.09,54.078 51.09,55.251 51.178,55.339 51.443,55.339 51.532,55.251 51.532,53.947 51.62,53.858 51.886,53.858 51.974,53.947 51.974,55.251 52.063,55.339 52.328,55.339 52.416,55.251 52.416,53.947 52.505,53.858 52.77,53.858 52.859,53.947 52.859,55.251 52.947,55.339 53.212,55.339 53.301,55.251 53.301,54.078 53.389,53.99 53.704,53.99 53.81,53.99 55.134,55.314 67.646,55.314 68.63,54.33 68.63,47.011 68.444,46.825 U6.6@67.238,46.825
SPI2_MISO: J10.7 U1.53 | length 53.8
  L1_SIG w0.142: U1.53@54.018,38.168 54.027,38.177 v4(55.746,38.177)
  L3_SIG w0.127: v4@55.759,38.153 63.355,38.153 63.358,38.15 73.88,38.15 73.91,38.18 73.974,38.18 74.122,38.329 74.122,39.416 74.208,39.501 74.464,39.501 74.549,39.416 74.549,38.124 74.635,38.039 74.891,38.039 74.976,38.124 74.976,39.416 75.062,39.501 75.318,39.501 75.403,39.416 75.403,38.124 75.489,38.039 75.745,38.039 75.83,38.124 75.83,39.416 75.916,39.501 76.172,39.501 76.257,39.416 76.257,38.124 76.343,38.039 76.599,38.039 76.684,38.124 76.684,39.416 76.77,39.501 77.026,39.501 77.111,39.416 77.111,38.329 77.26,38.18 77.698,38.18 87.01,38.18 87.61,38.78 87.61,45.613 v1(86.98,46.243)
  L6_SIG w0.142: J10.7@85.52,46.83 86.393,46.83 v1(86.98,46.243)
SPI2_MOSI: J10.3 U1.54 | length 53.8
  L1_SIG w0.142: U1.54@54.018,38.668 54.023,38.673 55.193,38.673 v4(55.198,38.678) v4@55.166,38.678
  L3_SIG w0.127: v4@55.224,38.65 55.254,38.68 62.748,38.68 62.812,38.68 62.961,38.829 62.961,39.881 63.046,39.967 63.302,39.967 63.388,39.881 63.388,38.512 63.473,38.427 63.729,38.427 63.815,38.512 63.815,39.881 63.9,39.967 64.156,39.967 64.242,39.881 64.242,38.512 64.327,38.427 64.583,38.427 64.669,38.512 64.669,39.881 64.754,39.967 65.01,39.967 65.096,39.881 65.096,38.512 65.181,38.427 65.437,38.427 65.523,38.512 65.523,39.881 65.608,39.967 65.864,39.967 65.95,39.881 65.95,38.512 66.035,38.427 66.291,38.427 66.377,38.512 66.377,39.881 66.462,39.967 66.718,39.967 66.804,39.881 66.804,38.512 66.889,38.427 67.145,38.427 67.231,38.512 67.231,39.881 67.316,39.967 67.572,39.967 67.658,39.881 67.658,38.512 67.743,38.427 67.999,38.427 68.085,38.512 68.085,39.881 68.17,39.967 68.426,39.967 68.512,39.881 68.512,38.829 68.66,38.68 69.394,38.68 69.93,38.68 70.12,38.87 70.12,40.91 70.34,41.13 80.07,41.13 81.31,42.37 v1(84,42.37)
  L6_SIG w0.142: v1(84,42.37) 85.46,42.37 J10.3@85.52,42.43
SPI2_SCK: J10.5 U1.46 | length 53.9
  L1_SIG w0.142: U1.46@50.286,35.436 v4(50.288,36.628)
  L3_SIG w0.127: v4(50.288,36.628) 50.244,36.672 50.244,41.214 50.79,41.76 58.344,41.76 58.407,41.76 58.556,41.909 58.556,42.951 58.642,43.036 58.898,43.036 58.983,42.951 58.983,41.504 59.069,41.419 59.325,41.419 59.41,41.504 59.41,42.951 59.496,43.036 59.752,43.036 59.837,42.951 59.837,41.504 59.923,41.419 60.179,41.419 60.264,41.504 60.264,42.951 60.35,43.036 60.606,43.036 60.691,42.951 60.691,41.504 60.777,41.419 61.033,41.419 61.118,41.504 61.118,42.951 61.204,43.036 61.46,43.036 61.545,42.951 61.545,41.909 61.694,41.76 62.098,41.76 78.28,41.76 81.15,44.63 v1(84.06,44.63)
  L6_SIG w0.142: v1(84.06,44.63) J10.5@85.52,44.63
STM_RST: C65.2 D13.1 R57.1 SW1.1 SW1.2 U1.14 | length 52.7
  L1_SIG w0.2: R57.1@34.872,41.453 R57.1@35.122,41.703 35.125,41.7 35.775,41.7 v1(35.778,41.697) 35.793,41.713 36.424,41.713 C65.2@36.44,41.729 ; C65.2@36.515,41.729 36.765,41.979 36.765,42.235 37.198,42.668 U1.14@38.542,42.668
  L1_SIG w0.3: v1(59.07,56.77) 62.718,56.77 SW1.2@62.9,56.952 SW1.1@67.2,56.952
  L6_SIG w0.142: D13.1@34.477,41.23 34.477,54.38 35.028,54.931 39.169,54.931 39.553,54.547 42.397,54.547 44.102,56.252 58.552,56.252 v1(59.07,56.77) ; D13.1@34.638,41.692 34.705,41.625 35.706,41.625 v1(35.778,41.697)
SW1-2_5: C38.2 L3.1 U7.19 U7.20 | length 1.4
  L1_SIG w0.3: 11.8,45.49 U7.20@11.8,44.6 U7.19@12.3,44.6
  other v1: 12.8,45 13.4,45 14,45 13,45.59 13.6,45.59 13.62,46.2 13.62,46.8 13.62,47.4 13.62,48
SWCLK_2: J1.3 U1.76 | length 14.9
  L1_SIG w0.142: U1.76@52.28,50.906 52.28,51.494 52.359,51.572 52.372,51.572 53.545,52.745 53.595,52.795 53.595,52.92 53.25,53.266 53.25,53.391 53.438,53.578 53.563,53.578 53.952,53.189 54.077,53.189 54.264,53.377 54.264,53.502 53.875,53.891 53.875,54.016 54.063,54.204 54.188,54.204 54.577,53.815 54.702,53.815 54.89,54.002 54.89,54.127 54.501,54.517 54.501,54.642 54.688,54.829 54.814,54.829 55.203,54.44 55.328,54.44 55.515,54.628 55.515,54.753 55.126,55.142 55.126,55.267 55.314,55.455 55.439,55.455 55.784,55.109 55.909,55.109 56.119,55.319 57,56.2 57,56.667 58.325,57.992 J1.3@58.325,58.45
SWDIO_2: J1.4 U1.72 | length 14.4
  L1_SIG w0.142: U1.72@54.018,47.668 56.168,47.668 57.783,49.283 57.783,56.216 59.825,58.258 J1.4@59.825,58.45
TX_2: SB11.1 U1.55 | length 6
  L1_SIG w0.142: U1.55@54.018,39.168 54.075,39.225 54.856,39.225 55.331,39.7 56.47,39.7 56.98,39.19 56.98,37.854 57.054,37.78 SB11.1@58.25,37.78
TX_4_N: J2.2 R8.1 U2.3 U3.10 | length 17.7
  L1_SIG w0.097: J2.2@46.165,16.89 46.129,16.854 46.129,15.424 46.242,15.311 46.402,15.311 47.22,16.129 47.22,17.387 47.22,17.692 ccw(c47.022,17.692) 47.022,17.89 46.884,17.89 cw(c46.884,18.089) 46.884,18.287 47.022,18.287 ccw(c47.022,18.485) 47.22,18.485 47.22,18.93 47.22,20.328 46.983,20.566 46.92,20.566 46.669,20.816 U2.3@46.669,21.06 46.669,22.651 46.39,22.93 46.383,22.93 46.193,23.12 46.193,24.622 46.328,24.757 46.328,25.819 46.045,26.102 v1(46.045,26.159) 46.045,26.216 46.328,26.499 46.328,26.707 46.32,26.714 46.32,27.234 46.219,27.335 U3.10@46.219,27.46
  L6_SIG w0.108: v1(46.045,26.159) 46.929,25.276 46.929,24.991 R8.1@47.21,24.71
TX_4_P: J2.1 R9.1 U2.4 U3.11 | length 17.7
  L1_SIG w0.097: J2.1@44.895,14.35 45.829,15.284 45.989,15.284 46.16,15.113 46.484,15.113 47.418,16.047 47.418,20.41 47.143,20.685 47.143,21.647 46.868,21.922 46.868,23.562 U2.4@46.669,23.76 46.425,24.005 46.425,24.574 46.526,24.675 46.526,25.819 46.809,26.102 v1(46.809,26.159) 46.809,26.216 46.526,26.499 46.526,26.789 46.519,26.797 46.519,27.234 46.62,27.335 U3.11@46.62,27.46
  L6_SIG w0.108: v1(46.809,26.159) 46.894,26.075 47.025,26.075 48.019,25.081 48.019,25.006 48.315,24.71 R9.1@48.39,24.71
U10_FB_5: C74.1 R55.1 R56.2 U10.3 | length 4.1
  L1_SIG w0.3: U10.3@22.095,55.095 23.595,55.095 C74.1@23.67,55.17 ; R56.2@23.67,56.37 C74.1@23.67,55.17 ; R55.1@24.97,55.17 C74.1@23.67,55.17
UART3_CTS: J4.23 SB6.2 | length 59.6
  L1_SIG w0.142: SB6.2@59.35,42.77 76.55,42.77 80.63,38.69 80.63,9.55 80.99,9.19 83.64,9.19 84.05,8.78 J4.23@84.05,5.075
UART3_DTR: J4.31 SB8.2 | length 66.1
  L1_SIG w0.142: SB8.2@59.35,40.275 77.255,40.275 79.636,37.894 79.636,3.264 80.71,2.19 85.97,2.19 87.28,3.5 87.28,5.045 J4.31@87.25,5.075
UART3_RTS: J4.25 SB7.2 | length 63.9
  L1_SIG w0.142: SB7.2@59.35,41.522 76.918,41.522 80.11,38.33 80.11,3.64 81,2.75 84.41,2.75 84.85,3.19 J4.25@84.85,5.075
UART3_RXD: J4.11 SB9.2 | length 58.9
  L1_SIG w0.142: SB9.2@59.35,39.027 59.384,39.027 59.552,38.86 64.43,38.86 ; 64.47,38.86 77.81,38.86 79.259,37.411 79.259,4.099 78.5,3.34 76.35,3.34 76.05,3.64 J4.11@76.05,5.075
UART3_TXD: J4.13 SB11.2 | length 58.3
  L1_SIG w0.142: SB11.2@59.35,37.78 62.17,37.78 62.683,37.78 62.772,37.692 62.772,36.914 62.86,36.825 63.126,36.825 63.214,36.914 63.214,37.841 63.303,37.93 63.568,37.93 63.656,37.841 63.656,36.914 63.745,36.825 64.01,36.825 64.099,36.914 64.099,37.841 64.187,37.93 64.452,37.93 64.541,37.841 64.541,36.914 64.629,36.825 64.895,36.825 64.983,36.914 64.983,37.692 65.071,37.78 65.192,37.78 78.01,37.78 78.882,36.908 78.882,9.662 76.85,7.63 J4.13@76.85,5.075
USB+_2: SB1.1 U1.71 | length 4.5
  L1_SIG w0.142: U1.71@54.018,47.168 56.258,47.168 56.45,47.36 57.816,47.36 58.216,47.76 SB1.1@58.25,47.76
USB-_2: SB2.1 U1.70 | length 4.3
  L1_SIG w0.142: U1.70@54.018,46.668 56.252,46.668 56.408,46.512 SB2.1@58.25,46.512
USB_D_N: J4.36 SB2.2 TP15.1 | length 64.5
  L1_SIG w0.145: SB2.2@59.35,46.512 59.35,46.542 59.556,46.748 59.556,46.75 59.64,46.835 59.845,46.835 59.99,46.98 88.82,46.98 89.501,46.298 89.501,31.17 ; TP15.1@88.8,31.18 88.81,31.17 89.501,31.17 ; J4.36@89.25,13.275 89.478,13.503 89.478,14.348 89.501,14.372 89.501,31.17
USB_D_P: J4.38 SB1.2 TP16.1 | length 65
  L1_SIG w0.145: SB1.2@59.35,47.76 59.35,47.73 59.626,47.454 59.849,47.454 60.027,47.277 88.943,47.277 89.799,46.421 89.799,31.16 ; J4.38@90.05,13.275 89.822,13.503 89.822,14.348 89.799,14.372 89.799,31.16 ; TP16.1@90.5,31.18 90.48,31.16 89.799,31.16
uSD_CS: J10.2 U1.45 | length 53.8
  L1_SIG w0.142: U1.45@49.786,35.436 v4@49.786,37.154
  L3_SIG w0.127: v4(49.79,37.178) 49.79,45.83 50.929,46.969 84.761,46.969 86.98,44.75 v1(86.98,41.33)
  L6_SIG w0.142: J10.2@85.52,41.33 v1(86.98,41.33)
uSD_DETECT: J10.CD1 U1.44 | length 53.9
  L1_SIG w0.142: U1.44@49.286,35.436 v4@49.286,36.626
  L3_SIG w0.127: v4(49.288,36.628) 49.288,48.938 50.12,49.77 53.65,49.77 54.01,49.41 69.61,49.41 69.674,49.41 70.023,49.76 70.373,49.76 71.073,49.06 71.423,49.06 72.123,49.76 72.473,49.76 73.173,49.06 73.523,49.06 74.223,49.76 74.573,49.76 75.273,49.06 75.623,49.06 76.323,49.76 76.673,49.76 77.373,49.06 77.723,49.06 78.423,49.76 78.773,49.76 79.473,49.06 79.823,49.06 80.523,49.76 80.873,49.76 81.561,49.073 81.911,49.073 82.248,49.41 83.68,49.41 83.805,49.285 v1(84.06,49.03)
  L6_SIG w0.142: v1(84.06,49.03) J10.CD1@85.52,49.03
USER_BTN: C61.2 R52.1 U1.22 | length 25.8
  L1_SIG w0.142: v1(34.66,55.95) 36.025,55.95 R52.1@36.1,56.025 ; v1(37.02,39.05) 37.402,38.668 U1.22@38.542,38.668
  L6_SIG w0.142: v1(34.66,55.95) 34.07,55.36 34.07,42.53 33.45,41.91 33.45,38.41 33.91,37.95 35.46,37.95 35.979,38.469 35.979,38.925 36.104,39.05 v1(37.02,39.05) v1@37.101,39.05
USER_LED: Q4.1 U1.78 | length 15.8
  L1_SIG w0.142: U1.78@51.28,50.906 51.28,52.256 51.434,52.41 v1(52.19,52.41)
  L1_SIG w0.254: v1(62.075,50) 62.148,50 62.423,49.725 64.475,49.725 Q4.1@64.5,49.75
  L6_SIG w0.142: v1(52.19,52.41) 58.11,52.41 60.52,50 v1(62.075,50)
USIM_DET_8: J4.44 SB12.1 | length 8.1
  L1_SIG w0.142: SB12.1@86.74,16.87 v1(88.06,16.87) ; J4.44@92.45,13.275 v4@92.45,14.72
  L3_SIG w0.142: v1(88.06,16.87) 89.66,15.27 91.81,15.27 v4(92.45,14.63)
VCAP_1-2_2: C68.2 C69.2 U1.48 U1.73 | length 18.8
  L1_SIG w0.3: 51.33,36.954 51.33,36.869 51.28,36.819 51.28,33.57 C69.2@51.35,33.5 ; 51.33,36.954 51.33,37.14 51.433,37.243 51.433,37.763 51.5,37.83 ; v1(52.32,47.71) 52.368,47.758 52.485,47.758 52.896,48.168 55.243,48.168 55.905,48.83 C68.2@55.98,48.83
  L1_SIG w0.6: 51.5,37.83 51.5,46.89 v1(52.32,47.71)
VDDIO_4: C17.2 C18.2 C22.2 C51.2 FB4.1 U3.19 | length 12.5
  L1_SIG w0.142: U3.19@46.62,30.41 46.62,31.02 46.78,31.18 47.237,31.637 47.343,31.637 47.39,31.59 47.567,31.59 v1@47.63,31.527
  L6_SIG w0.142: v1@47.63,31.527 50.944,31.527 C17.2@51.12,31.35 C18.2@52.437,31.35 53.603,31.35 C51.2@53.753,31.2 ; FB4.1@56.57,31.33 56.55,31.35 C22.2@55.07,31.35 ; C51.2@53.753,31.2 C51.2@53.753,31.35 C51.2@53.903,31.35 ; C51.2@53.753,31.2 C51.2@53.903,31.35 ; C51.2@53.903,31.35 C22.2@55.07,31.35 ; C51.2@53.903,31.35 C22.2@55.07,31.35
  other v1: 47.085,31.292 47.685,31.292
VSET_5: R35.2 U7.12 | length 1.6
  L1_SIG w0.3: U7.12@12.3,40.6 12.3,39.825 12.85,39.275 R35.2@12.925,39.275
WAKEUP_KEY_3: D12.1 J9.1 R52.2 R53.2 | length 10
  L1_SIG w0.142: R52.2@37.47,56.055 37.585,55.94 39.24,55.94 v1(39.62,55.56) 39.62,57.1 40.945,58.425 J9.1@42.326,58.425
  L6_SIG w0.142: R53.2@37.525,56.4 D12.1@39.37,56.4 39.433,56.4 39.62,56.213 v1(39.62,55.56)